# Altium PCB PCB.PcbDoc (continued)
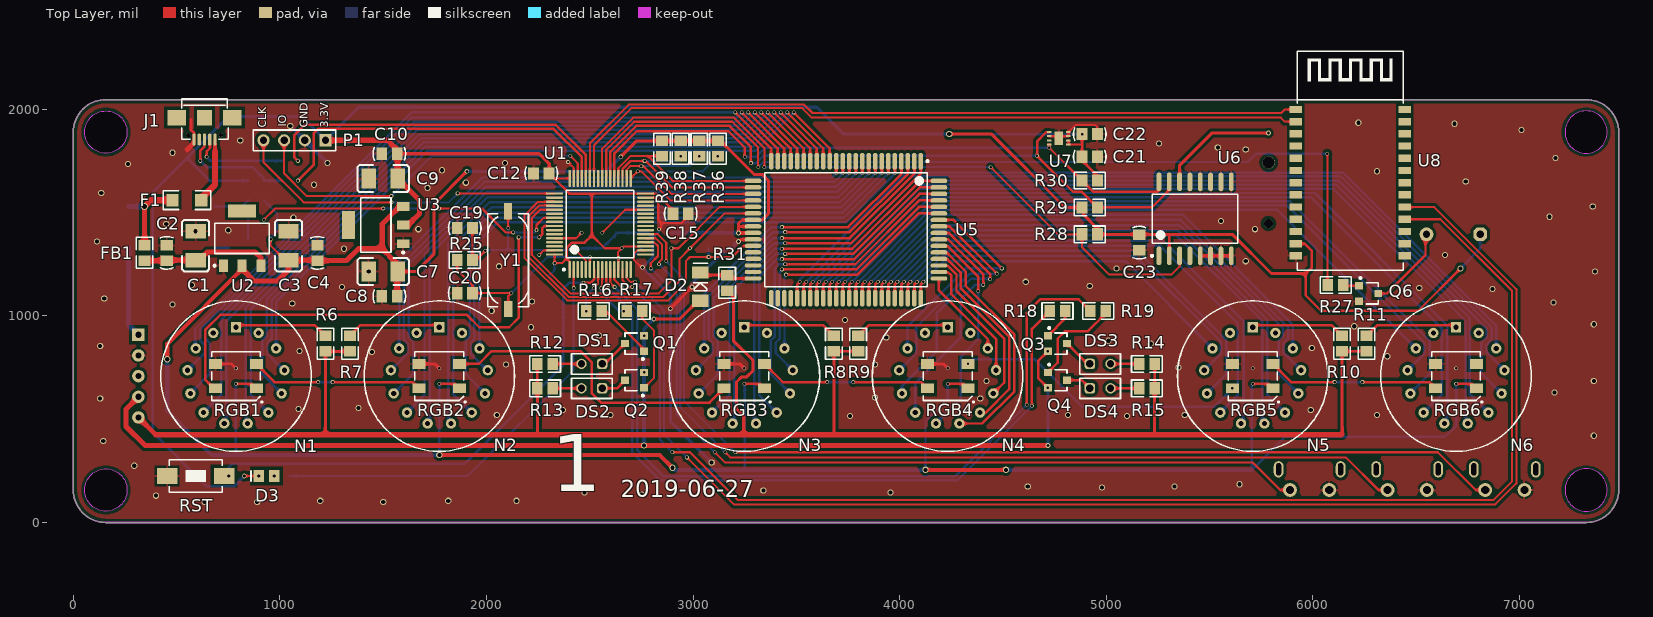
[diagram p0: Top Layer view]
## Nets (pads, with @x,y where several pads share a name; then routed paths per layer and width w, separated by ;. In a path a pad name is that pad's centre, name@x,y a point inside that pad or via, vN(x,y) a via of type N, cw(c..) or ccw(c..) an arc to the next point about the centre after c; other vN are vias at no path point) (continued)
  Bottom Layer w10: v1(2705,1140) 2840,1005 2840,400 v1(2900,340)
HC-TXD: U1.43 U8.1 | length 3688.6
  Top Layer w10: U1.43 2500.79,1835.79 2688,2023 3537,2023 3578,1982 5847,1982 5864.33,1999.33 U8.1
HV_CLK: R35.1 U1.52 U5.30 | length 1744.3
  Top Layer w10: U1.52 2327.75,1535.36 2256.32,1535.36 2202,1481.04 2202,1287.04 2397.04,1092 2857,1092 2935,1170 2935,1277.6 v1(2985,1327.6) 3153.46,1496.06 U5.30
HV_DIN1: R39.1 U1.36 U5.25 | length 847.9
  Top Layer w10: U1.36 2638.58,1715.71 2697.88,1775 2780,1775 ; R39.1 2847.6,1775 2780,1775 ; U5.25 2901.46,1653.54 2780,1775
HV_DIN2: R38.1 U1.35 U5.26 | length 931.3
  Top Layer w10: U1.35 2658.27,1711.35 2696.92,1750 v1(2765,1750) 2770,1750 2897.95,1622.05 U5.26
  Bottom Layer w10: v1(2765,1750) 2917.4,1750 v1(2940,1772.6)
HV_DIN3: R37.1 U1.34 U5.27 | length 1016.8
  Top Layer w10: U1.34 2677.95,1706.99 2695.96,1725 v1(2750,1725) 2760,1725 2894.45,1590.55 U5.27
  Bottom Layer w10: v1(2750,1725) 2982.4,1725 v1(3030,1772.6)
HV_DIN4: R36.1 U1.33 U5.28 | length 1083.3
  Top Layer w10: U1.33 v1(2732.17,1700) 2749.11,1700 2890.06,1559.06 U5.28
  Bottom Layer w10: v1(2732.17,1700) 3047.4,1700 v1(3120,1772.6)
HV_LE: R34.1 U1.53 U5.29 | length 1719.6
  Top Layer w10: U1.53 2258.9,1513.9 2219,1474 2219,1296 2406,1109 2834,1109 2895,1170 v1(2895,1327.6) 2929.6,1327.6 3129.56,1527.56 U5.29
HV_POL: R33.1 U1.51 U5.35 | length 1786
  Top Layer w10: U1.51 2327.75,1555.05 2300,1555.05 2300,1552.36 2249.28,1552.36 2185,1488.08 2185,1280 2390,1075 2880,1075 2965,1160 2965,1265 2985.2,1285.2 v1(3075,1285.2) 3190.2,1285.2 3243.58,1338.58 U5.35
  Bottom Layer w10: v1(3075,1285.2) R33.1
KEY0: KEY0.1 U1.20 | length 4068.2
  Top Layer w10: U1.20 2812.07,1356.42 2830,1338.49 2830,1290 2795,1255 v1(2795,1230) ; v1(3105,340) 3155,290 5710,290 5842.52,157.48 KEY0.1
  Bottom Layer w10: v1(2795,1230) 2921,1104 2921,524 v1(3105,340)
KEY1: KEY1.1 U1.21 | length 4517.6
  Top Layer w10: U1.21 2818.9,1376.1 2849,1346 2849,1274 2835,1260 v1(2835,1250) ; v1(3155,340) 3180,315 6160,315 6317.52,157.48 KEY1.1
  Bottom Layer w10: v1(2835,1250) 2938,1147 2938,557 v1(3155,340)
KEY2: KEY2.1 U1.22 | length 4974.9
  Top Layer w10: U1.22 2829.21,1395.79 2870,1355 v1(2870,1265) ; v1(3205,340) 6605,340 6787.52,157.48 KEY2.1
  Bottom Layer w10: v1(2870,1265) 2955,1180 2955,590 v1(3205,340)
LED: R32.1 U1.2 | length 2074.2
  Top Layer w10: v1(2422.05,1135) U1.2
  Bottom Layer w10: R32.1 1910,225 2422.05,737.05 v1(2422.05,1135)
LED_RGB: RGB1.4 U1.57 | length 2502.8
  Top Layer w10: 2280.16,1435.16 U1.57
  Top Layer w12: RGB1.4 680.39,649.61 639.63,690.37 639.63,933.56 711.06,1005 1905,1005 1965,945 2110,945 2155,990 v1(2155,1380) ; v1(2255,1380) 2270,1395 2270,1425 2280.16,1435.16
  Bottom Layer w12: v1(2155,1380) v1(2255,1380)
NetB_2: B.2 Q6.3 | length 416
  Top Layer w10: Q6.3 6358.64,1108.64 6545,1295 B.2@6545,1405.08
NetBT_1: BT.1 U6.14 | length 575.1
  Top Layer w15: U6.14 5355,1730 5510,1885 v3(5785,1885)
NetC1_1: C1.1 C2.1 FB1.2 U2.3 | length 631.8
  Top Layer w25: FB1.2 C2.1 454.27,1270 C1.1 610,1270 650,1310 880,1310 907.42,1282.58 U2.3
NetD2_2: D2.2 R31.2 U5.40 | length 267.7
  Top Layer w15: D2.2 3048.39,1197.4 R31.2 3181.3,1181.1 U5.40
NetD3_1: D3.1 R32.2
  other v3: 972.6,225
NetDS1_1: DS1.1 Q1.3 | length 151.2
  Top Layer w12: DS1.1 2571.85,767.72 Q1.3
NetDS1_2: DS1.2 R12.2 | length 139
  Top Layer w12: R12.2 DS1.2
NetDS2_1: DS2.1 Q2.3 | length 126.7
  Top Layer w12: DS2.1 2630.91,649.61 Q2.3
NetDS2_2: DS2.2 R13.2 | length 139
  Top Layer w12: R13.2 DS2.2
NetDS3_1: DS3.1 Q3.3 | length 151.2
  Top Layer w12: Q3.3 4908.46,767.72 DS3.1
NetDS3_2: DS3.2 R14.1 | length 139
  Top Layer w12: DS3.2 R14.1
NetDS4_1: DS4.1 Q4.3 | length 126.7
  Top Layer w12: Q4.3 4881.1,688.98 DS4.1
NetDS4_2: DS4.2 R15.2 | length 139
  Top Layer w12: DS4.2 R15.2
NetF1_1: F1.1 J1.1 | length 321.1
  Top Layer w15: 686.18,1795 J1.1
  Top Layer w30: F1.1 620,1570 686.18,1636.18 686.18,1795
NetN1_1: N1.1 R6.1 | length 459.3
  Top Layer w12: N1.1 798.35,955.83 1168.19,955.83 R6.1
NetN2_1: N2.1 R7.1 | length 459.3
  Top Layer w12: R7.1 1390.86,955.82 1760.71,955.82 N2.1
NetN3_1: N3.1 R8.1 | length 459.3
  Top Layer w12: N3.1 3258.98,955.83 3628.82,955.83 R8.1
NetN4_1: N4.1 R9.1 | length 459.3
  Top Layer w12: R9.1 3851.49,955.82 4221.34,955.82 N4.1
NetN5_1: N5.1 R10.1 | length 459.3
  Top Layer w12: N5.1 5719.61,955.83 6089.45,955.83 R10.1
NetN6_1: N6.1 R11.1 | length 459.3
  Top Layer w12: R11.1 6312.12,955.82 6681.97,955.82 N6.1
NetQ1_1: Q1.1 R16.2 | length 291.4
  Top Layer w10: R16.2 2576.38,1023.62 2762.8,837.2 Q1.1
NetQ2_1: Q2.1 R17.2 | length 414.8
  Top Layer w10: R17.2 2753.94,986.06 2810,930 2810,698.78 Q2.1
NetQ3_1: Q3.1 R18.2 | length 154.7
  Top Layer w12: Q3.1 4801.18,987.2 R18.2
NetQ4_1: Q4.1 R19.2 | length 477.9
  Top Layer w12: Q4.1 4765,773.86 4765,890 4800,925 4910,925 4998.03,1013.03 R19.2
NetQ5_1: Q5.1 R2.1 | length 98.2
  Bottom Layer w10: Q5.1 846.26,1463.66 R2.1
NetQ5_3: Q5.3 U9.2 | length 71.2
  Bottom Layer w10: U9.2 Q5.3
NetQ6_1: Q6.1 R27.2 | length 78
  Top Layer w10: R27.2 6151.36,1146.04 Q6.1
NetR1_2: R1.2 U9.1 | length 177.5
  Bottom Layer w10: U9.1 817.6,1530 R1.2
NetR21_2: R21.2 U1.44 | length 1738
  Top Layer w12: v1(1087.4,1750) 1070,1767.4 1070,1875 1120,1925 2335,1925 2481.1,1778.9 U1.44
NetR22_2: R22.2 U1.45 | length 1726.5
  Top Layer w12: v1(1087.4,1655) 1163.08,1730.68 1163.08,1883.08 1185,1905 2325,1905 2461.42,1768.58 U1.45
NetR23_2: R23.2 U1.60 | length 141.4
  Top Layer w10: U1.60 2433.7,1376.1 v1(2460,1402.4)
NetR26_1: R26.1 U1.28 | length 256.7
  Top Layer w10: v1(2560,1402.4) 2671.5,1513.9 U1.28
NetRGB1_2: RGB1.2 RGB2.4 | length 836.3
  Top Layer w12: RGB1.2 973.54,680 v1(1185,680) ; v1(1255,680) 1642.83,680 RGB2.4
  Bottom Layer w12: v1(1185,680) v1(1255,680)
NetRGB2_2: RGB2.2 RGB3.4 | length 1525.6
  Top Layer w12: RGB2.2 1962.72,767.72 2025,830 2455,830 2510,775 2510,625 2555,580 3080,580 RGB3.4
NetRGB3_2: RGB3.2 RGB4.4 | length 836.3
  Top Layer w12: RGB3.2 3434.17,680 v1(3650,680) ; v1(3775,680) 4103.46,680 RGB4.4
  Bottom Layer w12: v1(3650,680) v1(3775,680)
NetRGB4_2: RGB4.2 RGB5.4 | length 1421.1
  Bottom Layer w12: v1(4330.71,767.72) 4352.99,790 4655,790 4885,560 5520.63,560 v1(5610.24,649.61)
NetRGB5_2: RGB5.2 RGB6.4 | length 836.3
  Top Layer w12: RGB5.2 5894.8,680 v1(6105,680) ; v1(6240,680) 6564.09,680 RGB6.4
  Bottom Layer w12: v1(6105,680) v1(6240,680)
NetU4_1: U4.1 U9.3 | length 441
  Bottom Layer w25: U9.3 267.5,956.12 U4.1
NX1-0: N1.12 U5.15 | length 3418
  Top Layer w12: v1(3487.48,1985) 3661.42,1811.06 U5.15
  Bottom Layer w12: N1.12 981.81,1066.81 1715,1800 3301.39,1800 3303.39,1802 3304.48,1802 v1(3487.48,1985)
NX1-1: N1.3 U5.24 | length 3451.9
  Top Layer w12: v1(3204.02,1985) 3377.95,1811.06 U5.24
  Bottom Layer w12: N1.3 590,845.85 590,937.68 1637.32,1985 v1(3204.02,1985)
NX1-2: N1.4 U5.23 | length 3604.1
  Top Layer w12: v1(3235.51,1985) 3409.45,1811.06 U5.23
  Bottom Layer w12: N1.4 635,819.23 635,860 615,880 615,935.81 1639.19,1960 3210.51,1960 v1(3235.51,1985)
NX1-3: N1.5 U5.22 | length 3726.8
  Top Layer w12: v1(3267.01,1985) 3440.94,1811.06 U5.22
  Bottom Layer w12: N1.5 660,718.36 660,870 639.63,890.37 639.63,933.56 1646.06,1940 3222.01,1940 v1(3267.01,1985)
NX1-4: N1.6 U5.21 | length 3790.9
  Top Layer w12: v1(3298.5,1985) 3472.44,1811.06 U5.21
  Bottom Layer w12: N1.6 715.63,616.72 715.63,980.63 1655,1920 3233.5,1920 v1(3298.5,1985)
NX1-5: N1.7 U5.20 | length 3815.9
  Top Layer w12: v1(3330,1985) 3503.94,1811.06 U5.20
  Bottom Layer w12: N1.7 740.94,489.37 740.94,975.93 1665,1900 3245,1900 v1(3330,1985)
NX1-6: N1.8 U5.19 | length 3790.4
  Top Layer w12: v1(3361.5,1985) 3535.43,1811.06 U5.19
  Bottom Layer w12: N1.8 835,488.25 835,1040 1675,1880 3256.5,1880 v1(3361.5,1985)
NX1-7: N1.9 U5.18 | length 3773.2
  Top Layer w12: v1(3392.99,1985) 3566.93,1811.06 U5.18
  Bottom Layer w12: N1.9 859.18,616.73 859.18,1034.18 1685,1860 3267.99,1860 v1(3392.99,1985)
NX1-8: N1.10 U5.17 | length 3674.4
  Top Layer w12: v1(3424.49,1985) 3598.43,1811.06 U5.17
  Bottom Layer w12: N1.10 915,718.18 915,881.91 935.18,902.09 935.18,1080.18 1695,1840 3279.49,1840 v1(3424.49,1985)
NX1-9: N1.11 U5.16 | length 3563.4
  Top Layer w12: v1(3455.98,1985) 3629.92,1811.06 U5.16
  Bottom Layer w12: N1.11 1017.86,737.14 940,815 940,870 960,890 960,1075 1705,1820 3290.98,1820 v1(3455.98,1985)
NX2-0: N2.12 U5.5 | length 2726.7
  Top Layer w12: v1(3976.38,1690) U5.5
  Bottom Layer w12: N2.12 1966.06,1366.06 2053,1453 3739.38,1453 v1(3976.38,1690)
NX2-1: N2.3 U5.14 | length 2774.2
  Top Layer w12: v1(3692.91,1690) U5.14
  Bottom Layer w12: N2.3 1577.25,1267.25 1980,1670 3672.91,1670 v1(3692.91,1690)
NX2-2: N2.4 U5.13 | length 2927
  Top Layer w12: v1(3724.41,1690) U5.13
  Bottom Layer w12: N2.4 1620,819.98 1620,865 1600,885 1600,1260 1989.11,1649.11 3683.52,1649.11 v1(3724.41,1690)
NX2-3: N2.5 U5.12 | length 3048.4
  Top Layer w12: v1(3755.91,1690) U5.12
  Bottom Layer w12: N2.5 1645,719.11 1645,875 1623.88,896.12 1623.88,1253.88 1995,1625 3690.91,1625 v1(3755.91,1690)
NX2-4: N2.6 U5.11 | length 3111.3
  Top Layer w12: v1(3787.4,1690) U5.11
  Bottom Layer w12: N2.6 1699.88,616.72 1699.88,1299.88 2000,1600 3697.4,1600 v1(3787.4,1690)
NX2-5: N2.7 U5.10 | length 3137
  Top Layer w12: v1(3818.9,1690) U5.10
  Bottom Layer w12: N2.7 1725,489.18 1725,1295 2005,1575 3705,1575 3818.9,1688.9 v1(3818.9,1690)
NX2-6: N2.8 U5.9 | length 3111.4
  Top Layer w12: v1(3850.39,1690) U5.9
  Bottom Layer w12: N2.8 1815,492.51 1815,1350 2015,1550 3710.39,1550 v1(3850.39,1690)
NX2-7: N2.9 U5.8 | length 3090.6
  Top Layer w12: v1(3881.89,1690) U5.8
  Bottom Layer w12: N2.9 1840,620.16 1840,1340 2025,1525 3716.89,1525 v1(3881.89,1690)
NX2-8: N2.10 U5.7 | length 2988.4
  Top Layer w12: v1(3913.39,1690) U5.7
  Bottom Layer w12: N2.10 1900,717.43 1900,882.66 1919.43,902.09 1919.43,1389.43 2030,1500 3723.39,1500 v1(3913.39,1690)
NX2-9: N2.11 U5.6 | length 2874
  Top Layer w12: v1(3944.88,1690) U5.6
  Bottom Layer w12: N2.11 2002.86,737.14 1925,815 1925,870 1940,885 1940,1375 2040,1475 3729.88,1475 v1(3944.88,1690)
NX3-0: N3.12 U5.75 | length 1222.9
  Top Layer w12: v1(3450,1200) 3795,1200 4091.06,1496.06 U5.75
  Bottom Layer w12: N3.12 3442.44,1192.44 v1(3450,1200)
NX3-1: N3.3 U5.4 | length 1518.2
  Top Layer w12: v1(3430,1430) 3750,1430 4007.87,1687.87 U5.4
  Bottom Layer w12: N3.3 3053.63,1103.63 3380,1430 v1(3430,1430)
NX3-2: N3.4 U5.3 | length 1668.8
  Top Layer w12: v1(3445,1406.01) 3757.68,1406.01 4039.37,1687.7 ; 4039.37,1690 U5.3
  Bottom Layer w12: N3.4 3095,818.6 3095,870 3075,890 3075,1095 3386.01,1406.01 v1(3445,1406.01)
NX3-3: N3.5 U5.2 | length 1793.3
  Top Layer w12: v1(3430,1377) 3757.87,1377 4070.87,1690 U5.2 U5.2@4073,1746.88
  Bottom Layer w12: N3.5 3120,717.73 3120,880 3100,900 3100,1090 3387,1377 v1(3430,1377)
NX3-4: N3.6 U5.1 | length 1854
  Top Layer w12: v1(3445,1352) 3764.36,1352 4102.36,1690 U5.1
  Bottom Layer w12: N3.6 3176.26,616.72 3176.26,1136.26 3392,1352 v1(3445,1352)
NX3-5: N3.7 U5.80 | length 1861
  Top Layer w12: v1(3430,1325) 3770,1325 4098.54,1653.54 U5.80
  Bottom Layer w12: N3.7 3200,487.81 3200,1130 3395,1325 v1(3430,1325)
NX3-6: N3.8 U5.79 | length 1791.5
  Top Layer w12: v1(3445,1300) 3775,1300 4097.05,1622.05 U5.79
  Bottom Layer w12: N3.8 3295,488.88 3295,1195 3400,1300 v1(3445,1300)
NX3-7: N3.9 U5.78 | length 1728.7
  Top Layer w12: v1(3430,1275) 3780,1275 4095.55,1590.55 U5.78
  Bottom Layer w12: N3.9 3319.81,616.73 3319.81,1188.79 3406.02,1275 v1(3430,1275)
NX3-8: N3.10 U5.77 | length 1583.5
  Top Layer w12: v1(3445,1250) 3785,1250 4094.06,1559.06 U5.77
  Bottom Layer w12: v1(3445,1250) 3415,1250 3395.81,1230.81 3395.81,900.81 3375,880 3375,720 3468.91,626.09 N3.10
NX3-9: N3.11 U5.76 | length 1419.8
  Top Layer w12: v1(3430,1225) 3790,1225 4092.56,1527.56 U5.76
  Bottom Layer w12: v1(3430,1225) 3420,1215 3420,890 3400,870 3400,819.67 N3.11
NX4-0: N4.12 U5.65 | length 436.3
  Top Layer w12: U5.65 4189.96,1123.67 4426.69,886.94 N4.12
NX4-1: N4.3 U5.74 | length 1092.4
  Top Layer w12: N4.3@4030,850.73 N4.3 ; U5.74 4260.43,1464.57 v1(4495,1230)
  Bottom Layer w12: N4.3 4037.88,947.88 4320,1230 v1(4495,1230)
NX4-2: N4.4 U5.73 | length 1114.1
  Top Layer w12: U5.73 4241.93,1433.07 v1(4470,1205)
  Bottom Layer w12: N4.4 4080,819.35 4080,945 4340,1205 v1(4470,1205)
NX4-3: N4.5 U5.72 | length 1141.8
  Top Layer w12: U5.72 4238.43,1401.57 4437.5,1202.5 v1(4437.5,1177.5)
  Bottom Layer w12: N4.5 4011.42,661.42 4180,830 4180,1015 4345,1180 4435,1180 v1(4437.5,1177.5)
NX4-4: N4.6 U5.71 | length 1113.5
  Top Layer w12: U5.71 4234.92,1370.08 4405,1200 v1(4405,1150)
  Bottom Layer w12: N4.6 4075.64,675.64 4295,895 4295,1080 4365,1150 v1(4405,1150)
NX4-5: N4.7 U5.70 | length 1046.9
  Top Layer w12: U5.70 4231.42,1338.58 4380.06,1189.94 v1(4380.06,1120)
  Bottom Layer w12: N4.7 4295,598.55 4295,800 4380.06,885.06 v1(4380.06,1120)
NX4-6: N4.8 U5.69 | length 1176.2
  Top Layer w12: U5.69 4227.91,1307.09 4320,1215 4320,1145 4555,910 4555,635 4399.31,479.31 N4.8
NX4-7: N4.9 U5.68 | length 982.5
  Top Layer w12: U5.68 4229.41,1275.59 4295,1210 4295,1135 4530,900 4530,645 4416.85,531.85 N4.9
NX4-8: N4.10 U5.67 | length 795.1
  Top Layer w12: U5.67 4230.91,1244.09 4275,1200 4275,1120 4505,890 4505,676.74 N4.10
NX4-9: N4.11 U5.66 | length 615
  Top Layer w12: U5.66 4232.4,1212.6 4250,1195 4250,1105 4466.78,888.22 N4.11
NX5-0: N5.12 U5.55 | length 2625.6
  Top Layer w12: U5.55 3818.9,1152.36 v1(3831.54,1165)
  Bottom Layer w12: v1(3831.54,1165) 4156.54,1490 5370,1490 5903.07,956.93 N5.12
NX5-1: N5.3 U5.64 | length 1700.1
  Top Layer w12: U5.64 4102.36,1152.36 v1(4115,1165)
  Bottom Layer w12: v1(4115,1165) 4215,1265 5092.11,1265 N5.3
NX5-2: N5.4 U5.63 | length 1951.1
  Top Layer w12: U5.63 4070.87,1152.36 v1(4083.5,1165)
  Bottom Layer w12: v1(4083.5,1165) 4208.5,1290 5140,1290 5555,875 5555,817.97 N5.4
NX5-3: N5.5 U5.62 | length 2151.1
  Top Layer w12: U5.62 4039.37,1152.36 v1(4052.01,1165)
  Bottom Layer w12: v1(4052.01,1165) 4202.01,1315 5150,1315 5560.89,904.11 5560.89,902.08 5580,882.97 5580,717.1 N5.5
NX5-4: N5.6 U5.61 | length 2394.8
  Top Layer w12: U5.61 4007.87,1152.36 v1(4020.51,1165)
  Bottom Layer w12: v1(4020.51,1165) 4194.09,1338.58 5261.42,1338.58 5636.89,963.11 5636.89,616.72 N5.6
NX5-5: N5.7 U5.60 | length 2506
  Top Layer w12: U5.60 3976.38,1152.36 v1(3989.02,1165)
  Bottom Layer w12: v1(3989.02,1165) 4189.02,1365 5275,1365 5665,975 5665,492.18 N5.7
NX5-6: N5.8 U5.59 | length 2647.1
  Top Layer w12: U5.59 3944.88,1152.36 v1(3957.52,1165)
  Bottom Layer w12: v1(3957.52,1165) 4182.52,1390 5340,1390 5755,975 5755,489.51 N5.8
NX5-7: N5.9 U5.58 | length 2705.8
  Top Layer w12: U5.58 3913.39,1152.36 v1(3926.02,1165)
  Bottom Layer w12: v1(3926.02,1165) 4176.02,1415 5345,1415 5780,980 5780,617.17 N5.9
NX5-8: N5.10 U5.57 | length 2729.8
  Top Layer w12: U5.57 3881.89,1152.36 v1(3894.53,1165)
  Bottom Layer w12: v1(3894.53,1165) 4169.53,1440 5355,1440 5856.44,938.56 5856.44,901.44 5835,880 5835,719.44 N5.10
NX5-9: N5.11 U5.56 | length 2691.8
  Top Layer w12: U5.56 3850.39,1152.36 v1(3863.03,1165)
  Bottom Layer w12: v1(3863.03,1165) 4163.03,1465 5360,1465 5880,945 5880,890 5860,870 5860,820.3 N5.11
NX6-0: N6.12 U5.45 | length 4098.1
  Top Layer w12: U5.45 3503.94,1152.36 v1(3516.58,1165)
  Bottom Layer w12: v1(3516.58,1165) 3516.58,1176.58 4034,1694 6146,1694 6887.32,952.68 N6.12
NX6-1: N6.3 U5.54 | length 3206.5
  Top Layer w12: U5.54 3787.4,1152.36 v1(3800.04,1165)
  Bottom Layer w12: v1(3800.04,1165) 4150.04,1515 5826.36,1515 N6.3
NX6-2: N6.4 U5.53 | length 3451.4
  Top Layer w12: U5.53 3755.91,1152.36 v1(3768.54,1165)
  Bottom Layer w12: v1(3768.54,1165) 4138.54,1535 5875,1535 6540,870 6540,818.72 N6.4
NX6-3: N6.5 U5.52 | length 3647.3
  Top Layer w12: U5.52 3724.41,1152.36 v1(3737.05,1165)
  Bottom Layer w12: v1(3737.05,1165) 4127.05,1555 5890,1555 6565,880 6565,720 6472.05,627.05 N6.5
NX6-4: N6.6 U5.51 | length 3881.8
  Top Layer w12: U5.51 3692.91,1152.36 v1(3705.55,1165)
  Bottom Layer w12: v1(3705.55,1165) 4115.55,1575 5990,1575 6625,940 6625,620.58 N6.6
NX6-5: N6.7 U5.50 | length 3985.1
  Top Layer w12: U5.50 3661.42,1152.36 v1(3674.06,1165)
  Bottom Layer w12: v1(3674.06,1165) 4104.06,1595 6010,1595 6650,955 6650,492.92 N6.7
NX6-6: N6.8 U5.49 | length 4133.1
  Top Layer w12: U5.49 3629.92,1152.36 v1(3642.56,1165)
  Bottom Layer w12: v1(3642.56,1165) 4092.56,1615 6100,1615 6740,975 6740,488.77 N6.8
NX6-7: N6.9 U5.48 | length 4189.9
  Top Layer w12: U5.48 3598.43,1152.36 v1(3611.06,1165)
  Bottom Layer w12: v1(3611.06,1165) 4081.06,1635 6113.8,1635 6760,988.8 6760,621.42 N6.9
NX6-8: N6.10 U5.47 | length 4211.1
  Top Layer w12: U5.47 3566.93,1152.36 v1(3579.57,1165)
  Bottom Layer w12: v1(3579.57,1165) 4069.57,1655 6125,1655 6840.69,939.31 6840.69,895.69 6815,870 6815,723.69 N6.10
NX6-9: N6.11 U5.46 | length 4169.6
  Top Layer w12: U5.46 3535.43,1152.36 v1(3548.07,1165)
  Bottom Layer w12: v1(3548.07,1165) 4058.07,1675 6135,1675 6865,945 6865,885 6840,860 6840,824.56 N6.11
ON/OFF: R2.2 U1.55 | length 1523.6
  Top Layer w10: v1(922.4,1465) 977.4,1520 v1(1500,1520) ; v1(1770,1520) 1978,1520 2094,1404 v1(2130,1404) ; v1(2242,1415) 2242,1440 2276.53,1474.53 U1.55
  Bottom Layer w10: v1(1500,1520) v1(1770,1520) ; v1(2130,1404) 2234,1404 2242,1412 v1(2242,1415)
OSC_IN: C19.2 R25.2 U1.5 Y1.2 | length 973.3
  Top Layer w10: R25.2 1949.83,1270 v1(1995,1315.17) ; C19.2 1932.4,1287 1939.44,1287 R25.2@1944.42,1282.02 ; v1(2104.83,1425) Y1.2 ; v1(2410,1320) 2430,1320 2481.1,1268.9 U1.5
  Bottom Layer w10: v1(1995,1315.17) 1999.83,1320 2104.83,1320 ; v1(2104.83,1425) 2104.83,1320 ; v1(2410,1320) 2104.83,1320
OSC_OUT: C20.2 R25.1 U1.6 Y1.1 | length 973.6
  Top Layer w10: R25.1 1857.6,1222.4 1932.4,1147.6 C20.2 v1(2120,1110) 2105.17,1095.17 Y1.1 ; U1.6 v1(2500.79,1284.21)
  Bottom Layer w10: v1(2120,1110) 2294.21,1284.21 v1(2500.79,1284.21)
RESET: C18.1 R20.1 RST.1 U1.7 | length 2464.4
  Top Layer w12: v1(2469.5,1159.5) 2502.71,1159.5 2520.47,1177.26 U1.7
  Bottom Layer w12: v3(752.6,225) 752.6,267.6 770,285 1895,285 2372.4,762.4 C18.1@2372.4,1037.4 ; C18.1 2372.4,1132.4 2399.5,1159.5 v1(2469.5,1159.5) v1@2470,1160
SCL: R30.1 U1.37 U6.16 U7.4 | length 3046.9
  Top Layer w12: U1.37 2618.9,1786.57 2727.33,1895 3170,1895 3250,1815 v1(3250,1770) ; U7.4 v1(4723.74,1813.86) R30.1 4937.6,1600 5245,1600 5255,1610 U6.16
  Bottom Layer w12: v1(3250,1770) 3305,1770 3348.86,1813.86 v1(4723.74,1813.86)
SDA: R29.1 U1.38 U6.15 U7.1 | length 3345.7
  Top Layer w12: U1.38 2599.21,1794.21 2725,1920 3176.87,1920 3280,1816.87 v1(3280,1740) ; U7.1 4709.29,1889.53 4665,1845.24 4665,1775 4840,1600 4882.4,1600 R29.1 5220,1525 5305,1610 U6.15
  Bottom Layer w12: v1(3280,1740) 3305,1740 3340.48,1775.48 v1(4664.52,1775.48)
SWCLK: P1.4 U1.49 | length 1612.7
  Top Layer w10: P1.4 920.55,1744.45 1115,1550 v1(1539.7,1550) ; v1(1860,1592.64) U1.49
  Bottom Layer w10: v1(1539.7,1550) 1817.36,1550 v1(1860,1592.64)
SWDIO: P1.3 U1.46 | length 1795.8
  Top Layer w10: P1.3 1020.55,1689.45 1130,1580 v1(1540,1580) ; v1(2405,1775) 2441.73,1738.27 U1.46
  Bottom Layer w10: v1(1540,1580) 1735,1775 v1(2405,1775)
USB_D+: J1.3 R22.1 R24.1 | length 555.1
  Top Layer w12: v1(615,1750) 615,1800 635,1820 J1.3
  Bottom Layer w12: v1(615,1750) 645,1720 868,1720 922.4,1665.6 R24.1 R22.1
USB_D-: J1.2 R21.1 | length 466
  Top Layer w12: v1(645,1770) 645,1795 660.59,1810.59 J1.2
  Bottom Layer w12: v1(645,1770) 665,1750 R21.1
VCC3.3: B.1 C9.1 C10.1 C12.2 C13.2 C14.2 C15.2 C16.2 C17.1 C21.2 C22.2 C23.1 D3.2 P1.1 R20.2 R24.2 R28.2 R29.2 R30.2 U1.1 U1.13 U1.19 U1.32 U1.48 U1.64 U3.2 U6.2 U7.5 U7.6 U8.12 | length 14486.3
  Top Layer w10: v3(827.4,225) v3(897.6,225) ; 2328.05,1665.47 U1.48 ; U1.64 v1(2329.53,1255.47) 2365.47,1255.47 2388,1278 2402.36,1263.64 U1.1 ; 2510,1591.86 2823.14,1591.86 2902.6,1512.4 C15.2 ; v1(2637.4,1280) 2637.4,1310 v1(2655,1327.6) 2664.13,1336.73 U1.19@2740.47,1336.73 ; U1.13 v1@2638.58,1278.58 ; U7.6 U7.5 4882.13,1830.47
  Top Layer w12: C12.2@2303.53,1690 2328.05,1665.47 2401.67,1591.86 2510,1591.86 2510,1390 ; 2388,1278 2388,1329.11 2413.89,1355 2475,1355 2510,1390 ; v1(2655,1327.6) 2572.4,1327.6 2510,1390 ; 4882.13,1830.47 4882.6,1830 ; v1(4882.6,1880) 4882.6,1830 ; R30.2 4957.4,1677.6 4882.6,1752.4 C21.2 4882.6,1830 ; 5300,1395 5305,1390 U6.2 ; U8.12 5960.28,1349.72 5995,1315 5995,1235 5965,1205 5965,1100 6040,1025 6510,1025 v2(6715,1230)
  Top Layer w15: C10.1 2255,1785 2303.53,1736.47 C12.2@2303.53,1690 ; v2(4240,1880) 4445,1880 4800,1525 R29.2 ; R29.2@4888.47,1525 4888.47,1491.53 4957.4,1422.6 R28.2 5300,1395 5610,1395 5800,1205 5965,1205
  Top Layer w20: R29.2 R29.2@4888.47,1525
  Top Layer w25: P1.1 1521.72,1850 1567.4,1804.32 C10.1 1570,1782.4 C9.1 1675,1560 1675,1495 1620,1440 U3.2
  Bottom Layer w10: P1.1 C17.1 C17.1@1330,1850 ; C13.2 2329.53,1221.93 v1(2329.53,1255.47) ; v1(2637.4,1280) 2702.4,1280 C16.2
  Bottom Layer w12: v3(827.4,225) 777.4,175 645,175 385,435 385,1600 550,1765 660,1655 R24.2 ; v2(4240,1880) v1(4882.6,1880) ; v2(6715,1230) 6809.92,1324.92 B.1
  Bottom Layer w15: 550,1765 750,1965 1105.55,1965 P1.1 1380.55,2010 3600,2010 3730,1880 v2(4240,1880)
  Bottom Layer w25: C17.1@1330,1850 C17.1@1335,1845
VCC5: C3.1 C4.1 C7.1 C8.1 C11.1 C24.1 C25.1 C26.1 C27.1 C28.1 C29.1 R1.1 R33.2 R34.2 R35.2 R36.2 R37.2 R38.2 R39.2 RGB1.1 RGB2.1 RGB3.1 RGB4.1 RGB5.1 RGB6.1 U2.2 U3.3 U5.31 U5.32 U5.33 | length 14912.8
  Top Layer w10: v1(955,1370) 955,1340 1025,1270 C3.1
  Top Layer w12: v1(787.4,671.26) 864.17,671.26 RGB1.1 ; v1(1771.65,671.26) 1848.43,671.26 RGB2.1 ; v1(3248.03,671.26) 3324.8,671.26 RGB3.1 ; v1(4232.28,671.26) 4309.06,671.26 RGB4.1 ; v1(5708.66,671.26) 5785.43,671.26 RGB5.1 ; v1(6692.91,671.26) 6769.69,671.26 RGB6.1
  Top Layer w15: C7.1 1660,1215 1746.5,1301.5 1746.5,1541.5 v3(1905,1700) ; v3(2650,1770) 2727.4,1847.4 R39.2 R38.2 R37.2 R36.2 3132.6,1847.4 3295,1685 3335,1685 3365,1655 3365,1495 3334.57,1464.57 U5.31 3236.57,1464.57 3220,1448 3220,1434 ; U5.33 v3(3220,1401.57) 3220,1434 ; U5.32 3220.93,1433.07 3220,1434
  Top Layer w20: v2(455,790) 455,865 U2.2@816.87,1226.87 ; v2(1771.65,326.65) 2838.35,326.65 v2(2900,265) ; v2(4125,255) v2(4515,255)
  Top Layer w25: U2.2@816.87,1226.87 U2.2@816.87,1227.07 ; U2.2 U2.2@816.87,1227.07 ; C8.1 1567.4,1252.6 1495,1325 ; U3.3 1580.55,1530.55 1495,1445 1495,1325 ; U2.2@816.87,1227.07 875,1168.94 988.94,1168.94 1041.87,1221.87 C3.1 1179.47,1270 C4.1 1322.6,1267.6 1380,1325 1495,1325
  Bottom Layer w10: R1.1 985,1497.4 985,1410 955,1380
  Bottom Layer w12: 787.4,326.65 v1(787.4,671.26) ; v2(1771.65,326.65) v1(1771.65,671.26) ; v1(3248.03,671.26) 3250,669.29 3250,265 ; v2(4125,255) 4125,490 4232.28,597.28 v1(4232.28,671.26) ; v1(5708.66,671.26) 5705,667.6 5705,255 5865,415 6640,415 6692.91,467.91 v1(6692.91,671.26)
  Bottom Layer w15: v3(1905,1700) 2580,1700 v3(2650,1770) ; R34.2 R35.2 R33.2 C11.1 3165.83,1401.57 v3(3220,1401.57)
  Bottom Layer w20: v2(455,790) 455,540 668.35,326.65 787.4,326.65 v2(1771.65,326.65) ; v2(2900,265) 2910,255 v2(4125,255) ; v2(4515,255) 5705,255
VCCH: R6.2 R7.2 R8.2 R9.2 R10.2 R11.2 R12.1 R13.1 R14.2 R15.1 R31.1 U4.4 | length 8923.6
  Top Layer w12: R13.1 R12.1 ; R8.2 R9.2 ; R15.1 R14.2 ; R10.2 R11.2
  Top Layer w15: 1220,425 1220,828.27 R6.2 R7.2 ; 2245,425 2246.06,426.06 R13.1 ; R31.1 3195,1092.6 3195,880 3290,785 3290,735 3260,705 3235,705 3210,680 3210,550 3245,515 3245,425 ; 3680,425 3681.1,426.1 R8.2 ; R15.1 5234.25,425.75 5235,425 ; 6141.73,428.27 R10.2
  Top Layer w25: U4.4 398.62,425 1220,425 2245,425 3245,425 3680,425 5235,425 6138.46,425 6141.73,428.27
pads on no net: BT.0 J1.0 J1.4 J1.6 J1.7 J1.8 KEY0.3 KEY0.4 KEY1.3 KEY1.4 KEY2.3 KEY2.4 N1.2 N1.13 N2.2 N2.13 N3.2 N3.13 N4.2 N4.13 N5.2 N5.13 N6.2 N6.13 RGB6.2 U1.3 U1.4 U1.16 U1.17 U1.23 U1.24 U1.25 U1.26 U1.27 U1.29 U1.30 U1.41 U1.50 U1.54 U1.56 U1.58 U1.59 U1.61 U1.62 U2.4 U3.4 U4. U5.36 U5.37 U5.38 U5.39 U5.41 U5.42 U5.43 U5.44 U6.1 U6.4 U7.3 U8.3 U8.4 U8.5 U8.6 U8.7 U8.8 U8.9 U8.10 U8.11 U8.14 U8.15 U8.16 U8.19 U8.20 U8.21 U8.22 U8.23 U8.24 U8.25 U8.26

## Polygon pours and split planes (outlines as drawn)
GND on Top Layer "Top Layer-No Net" (solid, remove dead copper, pour order 20): -145,1845 -145,1960 110,2215 7340,2215 7420,2135 7640,1915 7640,1755 7640,90 7415,-135 85,-135 -145,95
GND on Bottom Layer "Top Layer-No Net" (solid, remove dead copper, pour order 24): -145,1845 -145,1960 110,2215 7340,2215 7420,2135 7640,1915 7640,1755 7640,90 7415,-135 85,-135 -145,95

## Keep-outs
Keep-Out Layer:
  the board outline again, w7.87

## Silkscreen, mask and mechanical layers (free items; w line width, h text height)
Top Overlay:
  text "IO" at 1030,1915 h39.37 r90
  text "CLK" at 935,1910 h39.37 r90
  text "GND" at 1135,1910 h39.37 r90
  text "3.3V" at 1235,1910 h39.37 r90
  text "2019-06-27" at 2650,95 h137.8
  text "1" at 2315,60 h472.44
Mechanical 1:
  circle w7.87: c157.48,157.48 r102.36
  circle w7.87: c157.48,1889.76 r102.36
  circle w7.87: c7322.83,1889.76 r102.36
  circle w7.87: c7322.83,157.48 r102.36